# KiCad board DIP8breakout+potToUSB.kicad_pcb (continued)
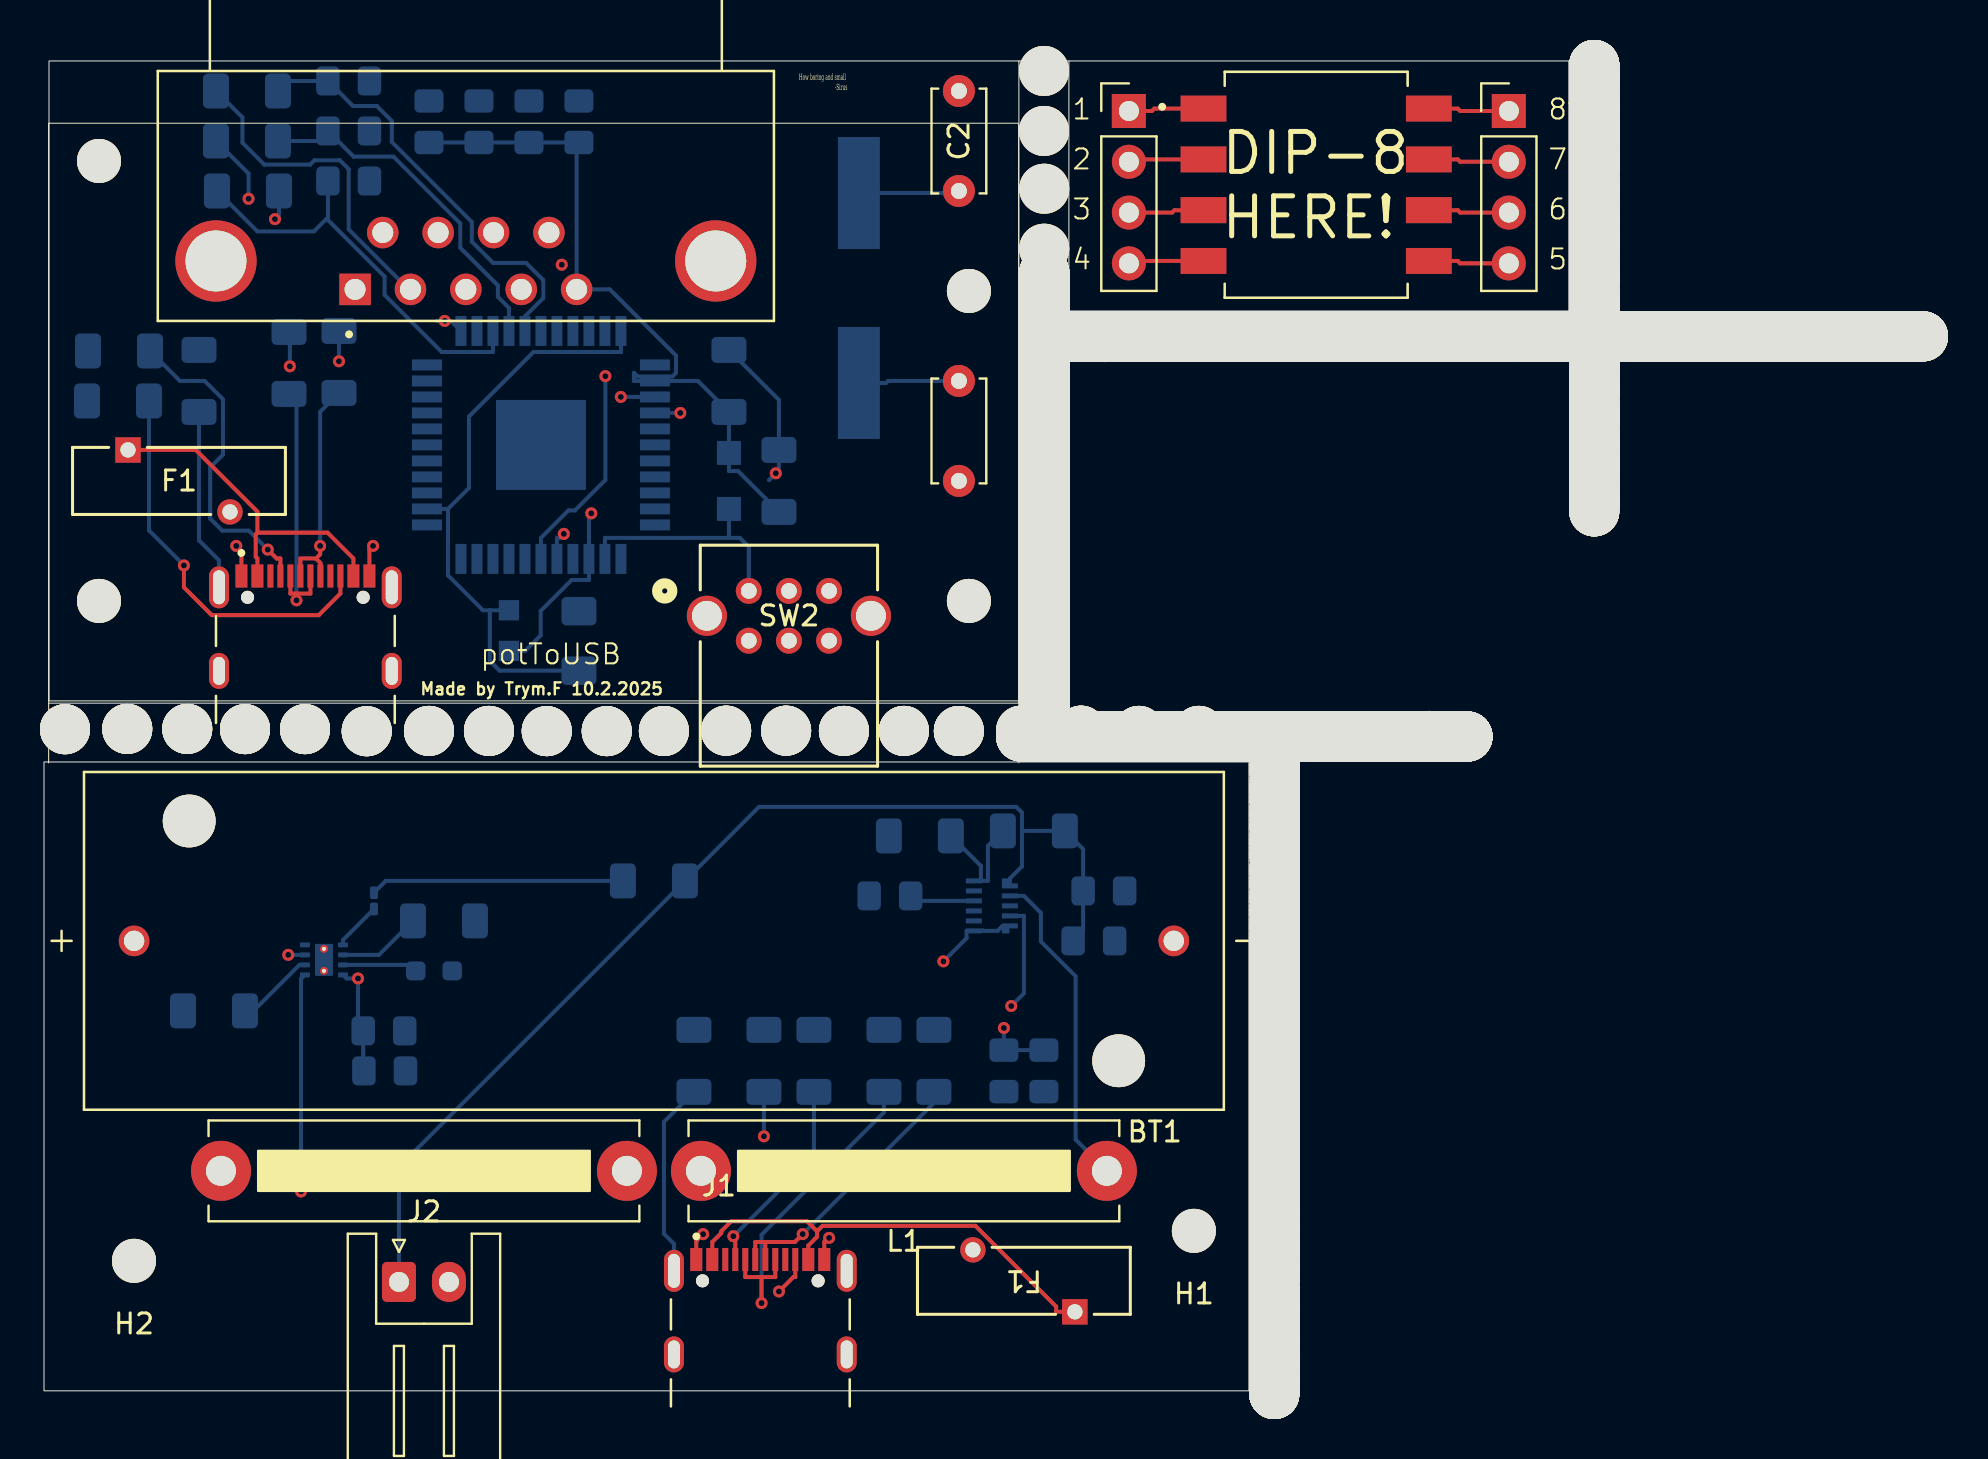
[diagram p0: board, top side]
## Placement (name value [footprint] x y rotation side) (continued)
NOREF#6071  -  [unnamed]  62.58 52.73 180 top
NOREF#6072  -  [unnamed]  61.52 9.3 270 top
NOREF#6073  -  [unnamed]  77.52 59.26 90 top
NOREF#6074  -  [unnamed]  75.46 52.73 180 top
NOREF#6075  -  [unnamed]  61.55 31.53 90 top
NOREF#6076  -  [unnamed]  86.52 52.73 180 top
NOREF#6077  -  [unnamed]  55.48 52.73 180 top
NOREF#6078  -  [unnamed]  93.1 52.73 180 top
NOREF#6079  -  [unnamed]  63.94 32.72 0 top
NOREF#6080  -  [unnamed]  54.7 32.72 0 top
NOREF#6081  -  [unnamed]  61.55 19.41 90 top
NOREF#6082  -  [unnamed]  50.02 54.11 90 top
NOREF#6083  -  [unnamed]  61.52 14.72 270 top
NOREF#6084  -  [unnamed]  77.52 57.7 90 top
NOREF#6085  -  [unnamed]  50.02 34.45 90 top
NOREF#6086  -  [unnamed]  61.52 0.04 270 top
NOREF#6087  -  [unnamed]  60.58 52.73 180 top
NOREF#6088  -  [unnamed]  77.52 50.02 90 top
NOREF#6089  -  [unnamed]  61.52 8.9 270 top
NOREF#6090  -  [unnamed]  52.38 52.73 180 top
NOREF#6091  -  [unnamed]  61.55 18.87 90 top
NOREF#6092  -  [unnamed]  61.52 0.7 270 top
NOREF#6093  -  [unnamed]  57.62 52.73 180 top
NOREF#6094  -  [unnamed]  49.46 32.72 0 top
NOREF#6095  -  [unnamed]  61.55 11.61 90 top
NOREF#6096  -  [unnamed]  50.02 38.15 90 top
NOREF#6097  -  [unnamed]  57.26 32.72 0 top
NOREF#6098  -  [unnamed]  75.46 52.73 180 top
NOREF#6099  -  [unnamed]  77.52 51.42 90 top
NOREF#6100  -  [unnamed]  61.55 25.43 90 top
NOREF#6101  -  [unnamed]  50.02 34.45 90 top
NOREF#6102  -  [unnamed]  82.3 52.73 180 top
NOREF#6103  -  [unnamed]  61.52 5.68 270 top
NOREF#6104  -  [unnamed]  77.52 65.24 90 top
NOREF#6105  -  [unnamed]  61.52 -0.16 270 top
NOREF#6106  -  [unnamed]  50.02 55.51 90 top
NOREF#6107  -  [unnamed]  61.55 18.87 90 top
NOREF#6108  -  [unnamed]  61.55 19.61 90 top
NOREF#6109  -  [unnamed]  61.55 19.61 90 top
NOREF#6110  -  [unnamed]  77.52 53.24 90 top
NOREF#6111  -  [unnamed]  93.56 52.73 180 top
NOREF#6112  -  [unnamed]  77.52 50.48 90 top
NOREF#6113  -  [unnamed]  69.18 32.72 0 top
NOREF#6114  -  [unnamed]  77.52 47.6 90 top
NOREF#6115  -  [unnamed]  54.74 52.73 180 top
NOREF#6116  -  [unnamed]  50.02 39.43 90 top
NOREF#6117  -  [unnamed]  50.02 37.41 90 top
NOREF#6118  -  [unnamed]  92.16 52.73 180 top
NOREF#6119  -  [unnamed]  61.52 52.73 180 top
NOREF#6120  -  [unnamed]  91 52.73 180 top
NOREF#6121  -  [unnamed]  61.55 24.69 90 top
NOREF#6122  -  [unnamed]  50.02 49.21 90 top
NOREF#6123  -  [unnamed]  66 52.73 180 top
NOREF#6124  -  [unnamed]  83.76 52.73 180 top
NOREF#6125  -  [unnamed]  61.55 29.67 90 top
NOREF#6126  -  [unnamed]  61.52 12.9 270 top
NOREF#6127  -  [unnamed]  80.04 52.73 180 top
NOREF#6128  -  [unnamed]  50.92 32.72 0 top
NOREF#6129  -  [unnamed]  61.55 18.21 90 top
NOREF#6130  -  [unnamed]  68.92 32.72 0 top
NOREF#6131  -  [unnamed]  50.02 47.31 90 top
NOREF#6132  -  [unnamed]  77.52 54.64 90 top
NOREF#6133  -  [unnamed]  61.55 10.01 90 top
NOREF#6134  -  [unnamed]  67.6 52.73 180 top
NOREF#6135  -  [unnamed]  90.6 52.73 180 top
NOREF#6136  -  [unnamed]  69.82 52.73 180 top
NOREF#6137  -  [unnamed]  51.12 52.73 180 top
NOREF#6138  -  [unnamed]  61.55 24.89 90 top
NOREF#6139  -  [unnamed]  50.02 41.03 90 top
NOREF#6140  -  [unnamed]  77.52 49.2 90 top
NOREF#6141  -  [unnamed]  61.55 27.57 90 top
NOREF#6142  -  [unnamed]  61.52 20.36 270 top
NOREF#6143  -  [unnamed]  61.55 28.97 90 top
NOREF#6144  -  [unnamed]  69.28 52.73 180 top
NOREF#6145  -  [unnamed]  50.02 51.09 90 top
NOREF#6146  -  [unnamed]  61.52 0.7 270 top
NOREF#6147  -  [unnamed]  83.3 52.73 180 top
NOREF#6148  -  [unnamed]  77.52 50.02 90 top
NOREF#6149  -  [unnamed]  90.34 52.73 180 top
NOREF#6150  -  [unnamed]  87.72 52.73 180 top
NOREF#6151  -  [unnamed]  61.52 2.3 270 top
NOREF#6152  -  [unnamed]  70.48 52.73 180 top
NOREF#6153  -  [unnamed]  55.14 52.73 180 top
NOREF#6154  -  [unnamed]  50.02 42.19 90 top
NOREF#6155  -  [unnamed]  61.55 21.27 90 top
NOREF#6156  -  [unnamed]  50.02 38.15 90 top
NOREF#6157  -  [unnamed]  49.06 32.72 0 top
NOREF#6158  -  [unnamed]  61.52 1.84 270 top
NOREF#6159  -  [unnamed]  68.42 52.73 180 top
NOREF#6160  -  [unnamed]  54.7 32.72 0 top
NOREF#6161  -  [unnamed]  61.55 16.31 90 top
NOREF#6162  -  [unnamed]  50.02 52.95 90 top
NOREF#6163  -  [unnamed]  61.52 0.5 270 top
NOREF#6164  -  [unnamed]  61.55 20.47 90 top
NOREF#6165  -  [unnamed]  50.02 45.25 90 top
NOREF#6166  -  [unnamed]  83.96 52.73 180 top
NOREF#6167  -  [unnamed]  66 52.73 180 top
NOREF#6168  -  [unnamed]  50.02 36.25 90 top
NOREF#6169  -  [unnamed]  61.52 14.06 270 top
NOREF#6170  -  [unnamed]  78.88 52.73 180 top
NOREF#6171  -  [unnamed]  54.7 32.72 0 top
NOREF#6172  -  [unnamed]  77.52 66.1 90 top
NOREF#6173  -  [unnamed]  77.52 66.1 90 top
NOREF#6174  -  [unnamed]  54.08 32.72 0 top
NOREF#6175  -  [unnamed]  61.52 17.14 270 top
NOREF#6176  -  [unnamed]  50.02 50.69 90 top
NOREF#6177  -  [unnamed]  65.34 32.72 0 top
NOREF#6178  -  [unnamed]  77.52 46.24 90 top
NOREF#6179  -  [unnamed]  76.2 52.73 180 top
NOREF#6180  -  [unnamed]  55.28 52.73 180 top
NOREF#6181  -  [unnamed]  50.02 34.65 90 top
NOREF#6182  -  [unnamed]  50.02 52.29 90 top
NOREF#6183  -  [unnamed]  61.52 3 270 top
NOREF#6184  -  [unnamed]  61.52 16.12 270 top
NOREF#6185  -  [unnamed]  61.55 31.73 90 top
NOREF#6186  -  [unnamed]  74.6 52.73 180 top
NOREF#6187  -  [unnamed]  77.52 47.14 90 top
NOREF#6188  -  [unnamed]  78.14 52.73 180 top
NOREF#6189  -  [unnamed]  54.28 52.73 180 top
NOREF#6190  -  [unnamed]  51.98 52.73 180 top
NOREF#6191  -  [unnamed]  57.92 32.72 0 top
NOREF#6192  -  [unnamed]  61.52 10.3 270 top
NOREF#6193  -  [unnamed]  61.52 7.74 270 top
NOREF#6194  -  [unnamed]  56.76 32.72 0 top
NOREF#6195  -  [unnamed]  49.72 32.72 0 top
NOREF#6196  -  [unnamed]  84.5 52.73 180 top
NOREF#6197  -  [unnamed]  86.72 52.73 180 top
NOREF#6198  -  [unnamed]  77.52 58.4 90 top
NOREF#6199  -  [unnamed]  54.28 52.73 180 top
NOREF#6200  -  [unnamed]  50.02 42.85 90 top
NOREF#6201  -  [unnamed]  71.64 52.73 180 top
NOREF#6202  -  [unnamed]  61.52 21.3 270 top
NOREF#6203  -  [unnamed]  77.52 52.98 90 top
NOREF#6204  -  [unnamed]  77.52 47.6 90 top
NOREF#6205  -  [unnamed]  77.52 59.6 90 top
NOREF#6206  -  [unnamed]  50.02 37.41 90 top
NOREF#6207  -  [unnamed]  57.82 52.73 180 top
NOREF#6208  -  [unnamed]  61.52 7.28 270 top
NOREF#6209  -  [unnamed]  50.02 39.83 90 top
NOREF#6210  -  [unnamed]  49.06 32.72 0 top
NOREF#6211  -  [unnamed]  59.06 32.72 0 top
NOREF#6212  -  [unnamed]  77.52 50.02 90 top
NOREF#6213  -  [unnamed]  61.52 13.16 270 top
NOREF#6214  -  [unnamed]  61.52 10.9 270 top
NOREF#6215  -  [unnamed]  61.52 22.16 270 top
NOREF#6216  -  [unnamed]  77.52 64.5 90 top
NOREF#6217  -  [unnamed]  50.02 37.21 90 top
NOREF#6218  -  [unnamed]  77.52 54.84 90 top
NOREF#6219  -  [unnamed]  50.02 54.65 90 top
NOREF#6220  -  [unnamed]  61.52 6.34 270 top
NOREF#6221  -  [unnamed]  52.68 32.72 0 top
NOREF#6222  -  [unnamed]  68.22 32.72 0 top
NOREF#6223  -  [unnamed]  66.16 32.72 0 top
NOREF#6224  -  [unnamed]  50.02 37.95 90 top
NOREF#6225  -  [unnamed]  77.52 59.06 90 top
NOREF#6226  -  [unnamed]  61.12 52.73 180 top
NOREF#6227  -  [unnamed]  80.7 52.73 180 top
NOREF#6228  -  [unnamed]  70.12 32.72 0 top
NOREF#6229  -  [unnamed]  61.52 5.88 270 top
NOREF#6230  -  [unnamed]  70.98 32.72 0 top
NOREF#6231  -  [unnamed]  61.52 14.26 270 top
NOREF#6232  -  [unnamed]  60.32 32.72 0 top
NOREF#6233  -  [unnamed]  56.34 52.73 180 top
NOREF#6234  -  [unnamed]  50.02 41.03 90 top
NOREF#6235  -  [unnamed]  50.02 54.85 90 top
NOREF#6236  -  [unnamed]  61.52 15.92 270 top
NOREF#6237  -  [unnamed]  61.55 30.33 90 top
NOREF#6238  -  [unnamed]  50.02 34.45 90 top
NOREF#6239  -  [unnamed]  77.52 64.04 90 top
NOREF#6240  -  [unnamed]  63.24 52.73 180 top
NOREF#6241  -  [unnamed]  50.02 36.95 90 top
NOREF#6242  -  [unnamed]  50.02 54.85 90 top
NOREF#6243  -  [unnamed]  54.08 52.73 180 top
NOREF#6244  -  [unnamed]  61.52 11.96 270 top
NOREF#6245  -  [unnamed]  70.98 52.73 180 top
NOREF#6246  -  [unnamed]  77.52 50.88 90 top
NOREF#6247  -  [unnamed]  67.36 32.72 0 top
NOREF#6248  -  [unnamed]  50.02 38.15 90 top
NOREF#6249  -  [unnamed]  68.92 32.72 0 top
NOREF#6250  -  [unnamed]  61.52 6.54 270 top
NOREF#6251  -  [unnamed]  83.3 52.73 180 top
NOREF#6252  -  [unnamed]  61.55 15.45 90 top
NOREF#6253  -  [unnamed]  57.66 32.72 0 top
NOREF#6254  -  [unnamed]  77.52 52.98 90 top
NOREF#6255  -  [unnamed]  61.55 28.97 90 top
NOREF#6256  -  [unnamed]  49.26 32.72 0 top
NOREF#6257  -  [unnamed]  77.52 64.7 90 top
NOREF#6258  -  [unnamed]  55.1 32.72 0 top
NOREF#6259  -  [unnamed]  66.82 32.72 0 top
NOREF#6260  -  [unnamed]  76 52.73 180 top
NOREF#6261  -  [unnamed]  61.55 31.07 90 top
NOREF#6262  -  [unnamed]  69.82 52.73 180 top
NOREF#6263  -  [unnamed]  61.52 21.56 270 top
NOREF#6264  -  [unnamed]  50.02 43.59 90 top
NOREF#6265  -  [unnamed]  61.52 13.16 270 top
NOREF#6266  -  [unnamed]  73.44 52.73 180 top
NOREF#6267  -  [unnamed]  61.52 13.56 270 top
NOREF#6268  -  [unnamed]  61.55 22.47 90 top
NOREF#6269  -  [unnamed]  61.55 15.65 90 top
NOREF#6270  -  [unnamed]  93.56 52.73 180 top
NOREF#6271  -  [unnamed]  61.55 13.97 90 top
NOREF#6272  -  [unnamed]  61.52 2.1 270 top
NOREF#6273  -  [unnamed]  77.52 58.4 90 top
NOREF#6274  -  [unnamed]  73.7 52.73 180 top
NOREF#6275  -  [unnamed]  61.55 20.67 90 top
NOREF#6276  -  [unnamed]  50.02 49.41 90 top
NOREF#6277  -  [unnamed]  77.52 58.2 90 top
NOREF#6278  -  [unnamed]  77.52 52.58 90 top
NOREF#6279  -  [unnamed]  55.48 52.73 180 top
NOREF#6280  -  [unnamed]  64.64 52.73 180 top
NOREF#6281  -  [unnamed]  77.52 56.3 90 top
NOREF#6282  -  [unnamed]  61.55 15.03 90 top
NOREF#6283  -  [unnamed]  61.52 -0.16 270 top
NOREF#6284  -  [unnamed]  92.16 52.73 180 top
NOREF#6285  -  [unnamed]  50.02 47.51 90 top
NOREF#6286  -  [unnamed]  86.32 52.73 180 top
NOREF#6287  -  [unnamed]  77.52 55.24 90 top
NOREF#6288  -  [unnamed]  58.36 52.73 180 top
NOREF#6289  -  [unnamed]  58.82 52.73 180 top
NOREF#6290  -  [unnamed]  61.55 10.67 90 top
NOREF#6291  -  [unnamed]  89.4 52.73 180 top
NOREF#6292  -  [unnamed]  58.16 52.73 180 top
NOREF#6293  -  [unnamed]  66 52.73 180 top
NOREF#6294  -  [unnamed]  61.52 1.24 270 top
NOREF#6295  -  [unnamed]  65.34 52.73 180 top
NOREF#6296  -  [unnamed]  61.98 52.73 180 top
NOREF#6297  -  [unnamed]  61.52 9.3 270 top
NOREF#6298  -  [unnamed]  77.52 45.98 90 top
NOREF#6299  -  [unnamed]  61.55 26.09 90 top
NOREF#6300  -  [unnamed]  50.02 47.81 90 top
NOREF#6301  -  [unnamed]  61.55 23.33 90 top
NOREF#6302  -  [unnamed]  86.52 52.73 180 top
NOREF#6303  -  [unnamed]  50.66 32.72 0 top
NOREF#6304  -  [unnamed]  61.55 17.05 90 top
NOREF#6305  -  [unnamed]  77.52 59.26 90 top
NOREF#6306  -  [unnamed]  77.68 52.73 180 top
NOREF#6307  -  [unnamed]  65.14 52.73 180 top
NOREF#6308  -  [unnamed]  77.52 58.4 90 top
NOREF#6309  -  [unnamed]  61.55 13.43 90 top
NOREF#6310  -  [unnamed]  61.55 31.53 90 top
NOREF#6311  -  [unnamed]  50.02 38.35 90 top
NOREF#6312  -  [unnamed]  65.34 32.72 0 top
NOREF#6313  -  [unnamed]  61.52 10.3 270 top
NOREF#6314  -  [unnamed]  62.78 32.72 0 top
NOREF#6315  -  [unnamed]  75.26 52.73 180 top
NOREF#6316  -  [unnamed]  54.74 52.73 180 top
NOREF#6317  -  [unnamed]  61.52 4.4 270 top
NOREF#6318  -  [unnamed]  60.52 32.72 0 top
NOREF#6319  -  [unnamed]  61.52 9.84 270 top
NOREF#6320  -  [unnamed]  50.02 53.45 90 top
NOREF#6321  -  [unnamed]  68.02 52.73 180 top
NOREF#6322  -  [unnamed]  50.66 32.72 0 top
NOREF#6323  -  [unnamed]  77.52 58.2 90 top
NOREF#6324  -  [unnamed]  50.02 46.65 90 top
NOREF#6325  -  [unnamed]  92.7 52.73 180 top
NOREF#6326  -  [unnamed]  50.02 50.07 90 top
NOREF#6327  -  [unnamed]  61.55 28.77 90 top
NOREF#6328  -  [unnamed]  61.52 5.06 270 top
NOREF#6329  -  [unnamed]  67.02 32.72 0 top
NOREF#6330  -  [unnamed]  55.1 32.72 0 top
NOREF#6331  -  [unnamed]  82.3 52.73 180 top
NOREF#6332  -  [unnamed]  53.88 52.73 180 top
NOREF#6333  -  [unnamed]  77.52 54.18 90 top
NOREF#6334  -  [unnamed]  66.36 32.72 0 top
NOREF#6335  -  [unnamed]  77.52 48 90 top
NOREF#6336  -  [unnamed]  68.22 52.73 180 top
NOREF#6337  -  [unnamed]  77.48 52.73 180 top
NOREF#6338  -  [unnamed]  77.52 56.84 90 top
NOREF#6339  -  [unnamed]  76.86 52.73 180 top
NOREF#6340  -  [unnamed]  87.92 52.73 180 top
NOREF#6341  -  [unnamed]  67.6 52.73 180 top
NOREF#6342  -  [unnamed]  65.54 32.72 0 top
NOREF#6343  -  [unnamed]  77.52 63.84 90 top
NOREF#6344  -  [unnamed]  61.55 30.13 90 top
NOREF#6345  -  [unnamed]  61.18 32.72 0 top
NOREF#6346  -  [unnamed]  68.22 52.73 180 top
NOREF#6347  -  [unnamed]  61.55 12.27 90 top
NOREF#6348  -  [unnamed]  51.98 52.73 180 top
NOREF#6349  -  [unnamed]  52.72 52.73 180 top
NOREF#6350  -  [unnamed]  84.7 52.73 180 top
NOREF#6351  -  [unnamed]  61.52 5.06 270 top
NOREF#6352  -  [unnamed]  61.55 15.45 90 top
NOREF#6353  -  [unnamed]  61.52 0.44 270 top
NOREF#6354  -  [unnamed]  78.34 52.73 180 top
NOREF#6355  -  [unnamed]  52.92 52.73 180 top
NOREF#6356  -  [unnamed]  77.52 49.2 90 top
NOREF#6357  -  [unnamed]  55.48 52.73 180 top
NOREF#6358  -  [unnamed]  61.55 17.05 90 top
NOREF#6359  -  [unnamed]  57.66 32.72 0 top
NOREF#6360  -  [unnamed]  61.52 20.9 270 top
NOREF#6361  -  [unnamed]  61.55 19.07 90 top
NOREF#6362  -  [unnamed]  53.88 32.72 0 top
NOREF#6363  -  [unnamed]  70.78 52.73 180 top
NOREF#6364  -  [unnamed]  61.52 8.44 270 top
NOREF#6365  -  [unnamed]  61.18 32.72 0 top
NOREF#6366  -  [unnamed]  61.55 18.87 90 top
NOREF#6367  -  [unnamed]  61.52 15.66 270 top
NOREF#6368  -  [unnamed]  67.76 32.72 0 top
NOREF#6369  -  [unnamed]  50.02 45.71 90 top
NOREF#6370  -  [unnamed]  88.12 52.73 180 top
NOREF#6371  -  [unnamed]  86.32 52.73 180 top
NOREF#6372  -  [unnamed]  61.55 11.41 90 top
NOREF#6373  -  [unnamed]  50.02 47.51 90 top
NOREF#6374  -  [unnamed]  77.52 60.26 90 top
NOREF#6375  -  [unnamed]  50.02 47.81 90 top
NOREF#6376  -  [unnamed]  61.55 19.81 90 top
NOREF#6377  -  [unnamed]  92.7 52.73 180 top
NOREF#6378  -  [unnamed]  61.52 11.76 270 top
NOREF#6379  -  [unnamed]  80.24 52.73 180 top
NOREF#6380  -  [unnamed]  77.52 63.34 90 top
NOREF#6381  -  [unnamed]  61.55 29.47 90 top
NOREF#6382  -  [unnamed]  77.52 59.8 90 top
NOREF#6383  -  [unnamed]  77.52 48.14 90 top
NOREF#6384  -  [unnamed]  50.02 46.45 90 top
NOREF#6385  -  [unnamed]  92.7 52.73 180 top
NOREF#6386  -  [unnamed]  61.55 26.91 90 top
NOREF#6387  -  [unnamed]  69.58 32.72 0 top
NOREF#6388  -  [unnamed]  61.55 10.67 90 top
NOREF#6389  -  [unnamed]  58.32 32.72 0 top
NOREF#6390  -  [unnamed]  77.52 51.42 90 top
NOREF#6391  -  [unnamed]  77.52 65.44 90 top
NOREF#6392  -  [unnamed]  61.52 2.1 270 top
NOREF#6393  -  [unnamed]  62.38 52.73 180 top
NOREF#6394  -  [unnamed]  61.52 14.92 270 top
NOREF#6395  -  [unnamed]  85.86 52.73 180 top
NOREF#6396  -  [unnamed]  61.55 24.23 90 top
NOREF#6397  -  [unnamed]  66.82 32.72 0 top
NOREF#6398  -  [unnamed]  50.02 40.09 90 top
NOREF#6399  -  [unnamed]  61.55 10.01 90 top
NOREF#6400  -  [unnamed]  55.1 32.72 0 top
NOREF#6401  -  [unnamed]  61.55 29.67 90 top
NOREF#6402  -  [unnamed]  77.52 61.48 90 top
NOREF#6403  -  [unnamed]  77.52 48.54 90 top
NOREF#6404  -  [unnamed]  61.55 30.87 90 top
NOREF#6405  -  [unnamed]  61.55 27.37 90 top
NOREF#6406  -  [unnamed]  86.52 52.73 180 top
NOREF#6407  -  [unnamed]  73.24 52.73 180 top
NOREF#6408  -  [unnamed]  64.68 32.72 0 top
NOREF#6409  -  [unnamed]  63.04 52.73 180 top
NOREF#6410  -  [unnamed]  77.52 62.94 90 top
NOREF#6411  -  [unnamed]  50.02 55.51 90 top
NOREF#6412  -  [unnamed]  77.52 50.48 90 top
NOREF#6413  -  [unnamed]  61.55 19.81 90 top
NOREF#6414  -  [unnamed]  53.58 52.73 180 top
NOREF#6415  -  [unnamed]  61.55 13.23 90 top
NOREF#6416  -  [unnamed]  52.68 32.72 0 top
NOREF#6417  -  [unnamed]  61.55 19.07 90 top
NOREF#6418  -  [unnamed]  61.55 11.21 90 top
NOREF#6419  -  [unnamed]  70.98 32.72 0 top
NOREF#6420  -  [unnamed]  50.02 39.43 90 top
NOREF#6421  -  [unnamed]  61.52 4.4 270 top
NOREF#6422  -  [unnamed]  61.55 12.77 90 top
NOREF#6423  -  [unnamed]  57.42 52.73 180 top
NOREF#6424  -  [unnamed]  50.02 35.85 90 top
NOREF#6425  -  [unnamed]  61.55 21.73 90 top
NOREF#6426  -  [unnamed]  53.42 32.72 0 top
NOREF#6427  -  [unnamed]  63.94 32.72 0 top
NOREF#6428  -  [unnamed]  61.52 19 270 top
NOREF#6429  -  [unnamed]  77.52 62.68 90 top
NOREF#6430  -  [unnamed]  61.52 19.7 270 top
NOREF#6431  -  [unnamed]  61.55 16.11 90 top
NOREF#6432  -  [unnamed]  77.52 52.08 90 top
NOREF#6433  -  [unnamed]  77.52 54.84 90 top
NOREF#6434  -  [unnamed]  61.55 17.05 90 top
NOREF#6435  -  [unnamed]  61.55 30.13 90 top
NOREF#6436  -  [unnamed]  65.14 32.72 0 top
NOREF#6437  -  [unnamed]  50.02 49.21 90 top
NOREF#6438  -  [unnamed]  79.34 52.73 180 top
NOREF#6439  -  [unnamed]  69.62 52.73 180 top
NOREF#6440  -  [unnamed]  61.52 7.48 270 top
NOREF#6441  -  [unnamed]  53.62 32.72 0 top
NOREF#6442  -  [unnamed]  76.4 52.73 180 top
NOREF#6443  -  [unnamed]  61.52 11.96 270 top
NOREF#6444  -  [unnamed]  71.18 32.72 0 top
NOREF#6445  -  [unnamed]  77.52 47.14 90 top
NOREF#6446  -  [unnamed]  51.32 52.73 180 top
NOREF#6447  -  [unnamed]  50.02 45.25 90 top
NOREF#6448  -  [unnamed]  50.02 48.47 90 top
NOREF#6449  -  [unnamed]  50.02 54.11 90 top
NOREF#6450  -  [unnamed]  77.52 66.1 90 top
NOREF#6451  -  [unnamed]  61.52 7.48 270 top
NOREF#6452  -  [unnamed]  61.55 13.43 90 top
NOREF#6453  -  [unnamed]  61.55 16.51 90 top
NOREF#6454  -  [unnamed]  69.58 32.72 0 top
NOREF#6455  -  [unnamed]  50.02 42.19 90 top
NOREF#6456  -  [unnamed]  66.62 32.72 0 top
NOREF#6457  -  [unnamed]  71.18 32.72 0 top
NOREF#6458  -  [unnamed]  77.52 44.18 90 top
NOREF#6459  -  [unnamed]  53.58 52.73 180 top
NOREF#6460  -  [unnamed]  77.52 61.48 90 top
NOREF#6461  -  [unnamed]  77.52 45.24 90 top
NOREF#6462  -  [unnamed]  50.02 33.79 90 top
NOREF#6463  -  [unnamed]  61.55 13.97 90 top
NOREF#6464  -  [unnamed]  89.94 52.73 180 top
NOREF#6465  -  [unnamed]  86.52 52.73 180 top
NOREF#6466  -  [unnamed]  77.52 65.24 90 top
NOREF#6467  -  [unnamed]  59.92 32.72 0 top
NOREF#6468  -  [unnamed]  77.52 46.94 90 top
NOREF#6469  -  [unnamed]  61.52 12.9 270 top
NOREF#6470  -  [unnamed]  77.68 52.73 180 top
NOREF#6471  -  [unnamed]  67.56 32.72 0 top
NOREF#6472  -  [unnamed]  73.24 52.73 180 top
NOREF#6473  -  [unnamed]  65.54 52.73 180 top
NOREF#6474  -  [unnamed]  61.52 2.3 270 top
NOREF#6475  -  [unnamed]  53.58 52.73 180 top
NOREF#6476  -  [unnamed]  85.86 52.73 180 top
NOREF#6477  -  [unnamed]  55.36 32.72 0 top
NOREF#6478  -  [unnamed]  77.52 61.08 90 top
NOREF#6479  -  [unnamed]  50.02 40.83 90 top
NOREF#6480  -  [unnamed]  64.84 52.73 180 top
NOREF#6481  -  [unnamed]  61.52 11.5 270 top
NOREF#6482  -  [unnamed]  61.55 10.01 90 top
NOREF#6483  -  [unnamed]  72.5 52.73 180 top
NOREF#6484  -  [unnamed]  64.18 52.73 180 top
NOREF#6485  -  [unnamed]  61.55 10.47 90 top
NOREF#6486  -  [unnamed]  61.52 8.44 270 top
NOREF#6487  -  [unnamed]  72.38 52.73 180 top
NOREF#6488  -  [unnamed]  61.52 0.9 270 top
NOREF#6489  -  [unnamed]  61.55 19.07 90 top
NOREF#6490  -  [unnamed]  77.52 52.78 90 top
NOREF#6491  -  [unnamed]  59.26 32.72 0 top
NOREF#6492  -  [unnamed]  67.56 32.72 0 top
NOREF#6493  -  [unnamed]  77.52 56.84 90 top
NOREF#6494  -  [unnamed]  51.12 52.73 180 top
NOREF#6495  -  [unnamed]  57.62 52.73 180 top
NOREF#6496  -  [unnamed]  77.52 65.9 90 top
NOREF#6497  -  [unnamed]  55.48 52.73 180 top
NOREF#6498  -  [unnamed]  50.02 46.45 90 top
NOREF#6499  -  [unnamed]  71.64 52.73 180 top
NOREF#6500  -  [unnamed]  93.76 52.73 180 top
NOREF#6501  -  [unnamed]  62.58 52.73 180 top
NOREF#6502  -  [unnamed]  61.55 12.77 90 top
NOREF#6503  -  [unnamed]  61.55 25.69 90 top
NOREF#6504  -  [unnamed]  61.55 15.91 90 top
NOREF#6505  -  [unnamed]  61.55 15.45 90 top
NOREF#6506  -  [unnamed]  61.52 21.96 270 top
NOREF#6507  -  [unnamed]  56.96 32.72 0 top
NOREF#6508  -  [unnamed]  87.92 52.73 180 top
NOREF#6509  -  [unnamed]  61.55 21.27 90 top
NOREF#6510  -  [unnamed]  77.52 54.64 90 top
NOREF#6511  -  [unnamed]  81.84 52.73 180 top
NOREF#6512  -  [unnamed]  50.02 38.61 90 top
NOREF#6513  -  [unnamed]  61.52 11.76 270 top
NOREF#6514  -  [unnamed]  66.74 52.73 180 top
NOREF#6515  -  [unnamed]  77.52 51.88 90 top
NOREF#6516  -  [unnamed]  59.72 52.73 180 top
NOREF#6517  -  [unnamed]  67.4 52.73 180 top
NOREF#6518  -  [unnamed]  50.02 36.55 90 top
NOREF#6519  -  [unnamed]  54.08 52.73 180 top
NOREF#6520  -  [unnamed]  61.52 6.08 270 top
NOREF#6521  -  [unnamed]  61.52 5.68 270 top
NOREF#6522  -  [unnamed]  81.64 52.73 180 top
NOREF#6523  -  [unnamed]  86.72 52.73 180 top
NOREF#6524  -  [unnamed]  80.24 52.73 180 top
NOREF#6525  -  [unnamed]  62.38 32.72 0 top
NOREF#6526  -  [unnamed]  63.74 32.72 0 top
NOREF#6527  -  [unnamed]  54.08 52.73 180 top
NOREF#6528  -  [unnamed]  61.55 25.89 90 top
NOREF#6529  -  [unnamed]  61.52 21.96 270 top
NOREF#6530  -  [unnamed]  61.78 52.73 180 top
NOREF#6531  -  [unnamed]  77.52 55.84 90 top
NOREF#6532  -  [unnamed]  50.02 54.65 90 top
NOREF#6533  -  [unnamed]  72.7 52.73 180 top
NOREF#6534  -  [unnamed]  50.02 39.43 90 top
NOREF#6535  -  [unnamed]  61.52 0.5 270 top
NOREF#6536  -  [unnamed]  69.82 52.73 180 top
NOREF#6537  -  [unnamed]  61.55 29.67 90 top
NOREF#6538  -  [unnamed]  84.7 52.73 180 top
NOREF#6539  -  [unnamed]  59.92 32.72 0 top
NOREF#6540  -  [unnamed]  50.02 37.95 90 top
NOREF#6541  -  [unnamed]  59.06 32.72 0 top
NOREF#6542  -  [unnamed]  78.54 52.73 180 top
NOREF#6543  -  [unnamed]  50.66 32.72 0 top
NOREF#6544  -  [unnamed]  61.55 23.53 90 top
NOREF#6545  -  [unnamed]  73.7 52.73 180 top
NOREF#6546  -  [unnamed]  87.72 52.73 180 top
NOREF#6547  -  [unnamed]  58.32 32.72 0 top
NOREF#6548  -  [unnamed]  61.52 7.08 270 top
NOREF#6549  -  [unnamed]  63.44 52.73 180 top
NOREF#6550  -  [unnamed]  77.52 65.44 90 top
NOREF#6551  -  [unnamed]  50.02 34.45 90 top
NOREF#6552  -  [unnamed]  50.02 38.35 90 top
NOREF#6553  -  [unnamed]  67.2 52.73 180 top
NOREF#6554  -  [unnamed]  52.52 52.73 180 top
NOREF#6555  -  [unnamed]  68.22 52.73 180 top
NOREF#6556  -  [unnamed]  63.98 52.73 180 top
NOREF#6557  -  [unnamed]  61.52 7.74 270 top
NOREF#6558  -  [unnamed]  88.54 52.73 180 top
NOREF#6559  -  [unnamed]  53.38 52.73 180 top
NOREF#6560  -  [unnamed]  61.55 24.03 90 top
NOREF#6561  -  [unnamed]  61.55 29.67 90 top
NOREF#6562  -  [unnamed]  77.52 48.54 90 top
NOREF#6563  -  [unnamed]  70.32 32.72 0 top
NOREF#6564  -  [unnamed]  70.02 52.73 180 top
NOREF#6565  -  [unnamed]  50.02 51.55 90 top
NOREF#6566  -  [unnamed]  74.4 52.73 180 top
NOREF#6567  -  [unnamed]  61.55 26.29 90 top
NOREF#6568  -  [unnamed]  61.52 11.3 270 top
NOREF#6569  -  [unnamed]  76.66 52.73 180 top
NOREF#6570  -  [unnamed]  90.34 52.73 180 top
NOREF#6571  -  [unnamed]  61.52 10.04 270 top
NOREF#6572  -  [unnamed]  76.46 52.73 180 top
NOREF#6573  -  [unnamed]  77.52 52.28 90 top
NOREF#6574  -  [unnamed]  61.55 29.87 90 top
NOREF#6575  -  [unnamed]  61.52 19.5 270 top
NOREF#6576  -  [unnamed]  77.52 48 90 top
NOREF#6577  -  [unnamed]  61.55 15.45 90 top
NOREF#6578  -  [unnamed]  91.7 52.73 180 top
NOREF#6579  -  [unnamed]  50.02 46.65 90 top
NOREF#6580  -  [unnamed]  77.52 52.78 90 top
NOREF#6581  -  [unnamed]  77.52 48.54 90 top
NOREF#6582  -  [unnamed]  76.86 52.73 180 top
NOREF#6583  -  [unnamed]  77.52 50.68 90 top
NOREF#6584  -  [unnamed]  51.32 52.73 180 top
NOREF#6585  -  [unnamed]  50.02 50.07 90 top
NOREF#6586  -  [unnamed]  92.16 52.73 180 top
NOREF#6587  -  [unnamed]  61.55 17.51 90 top
NOREF#6588  -  [unnamed]  77.28 52.73 180 top
NOREF#6589  -  [unnamed]  65.34 32.72 0 top
NOREF#6590  -  [unnamed]  61.52 5.06 270 top
NOREF#6591  -  [unnamed]  77.52 63.34 90 top
NOREF#6592  -  [unnamed]  77.52 49 90 top
NOREF#6593  -  [unnamed]  61.55 27.57 90 top
NOREF#6594  -  [unnamed]  51.98 52.73 180 top
NOREF#6595  -  [unnamed]  61.55 28.77 90 top
NOREF#6596  -  [unnamed]  50.02 52.95 90 top
NOREF#6597  -  [unnamed]  77.52 64.9 90 top
NOREF#6598  -  [unnamed]  61.52 20.9 270 top
NOREF#6599  -  [unnamed]  70.78 32.72 0 top
NOREF#6600  -  [unnamed]  87.46 52.73 180 top
NOREF#6601  -  [unnamed]  84.9 52.73 180 top
NOREF#6602  -  [unnamed]  50.02 47.31 90 top
NOREF#6603  -  [unnamed]  61.52 10.7 270 top
NOREF#6604  -  [unnamed]  61.52 7.54 270 top
NOREF#6605  -  [unnamed]  55.48 52.73 180 top
NOREF#6606  -  [unnamed]  55.36 32.72 0 top
NOREF#6607  -  [unnamed]  50.02 48.01 90 top
NOREF#6608  -  [unnamed]  61.55 25.89 90 top
NOREF#6609  -  [unnamed]  61.52 13.16 270 top
NOREF#6610  -  [unnamed]  77.52 55.64 90 top
NOREF#6611  -  [unnamed]  75.26 52.73 180 top
NOREF#6612  -  [unnamed]  77.52 53.44 90 top
NOREF#6613  -  [unnamed]  93.76 52.73 180 top
NOREF#6614  -  [unnamed]  50.02 42.85 90 top
NOREF#6615  -  [unnamed]  53.42 32.72 0 top
NOREF#6616  -  [unnamed]  77.52 65.9 90 top
NOREF#6617  -  [unnamed]  72.7 52.73 180 top
NOREF#6618  -  [unnamed]  61.52 19 270 top
NOREF#6619  -  [unnamed]  52.68 32.72 0 top
NOREF#6620  -  [unnamed]  61.52 7.74 270 top
NOREF#6621  -  [unnamed]  66.74 52.73 180 top
NOREF#6622  -  [unnamed]  61.55 12.97 90 top
NOREF#6623  -  [unnamed]  77.52 46.44 90 top